# Altium PCB yard-ice.PcbDoc (part 2 of 3) (continued)
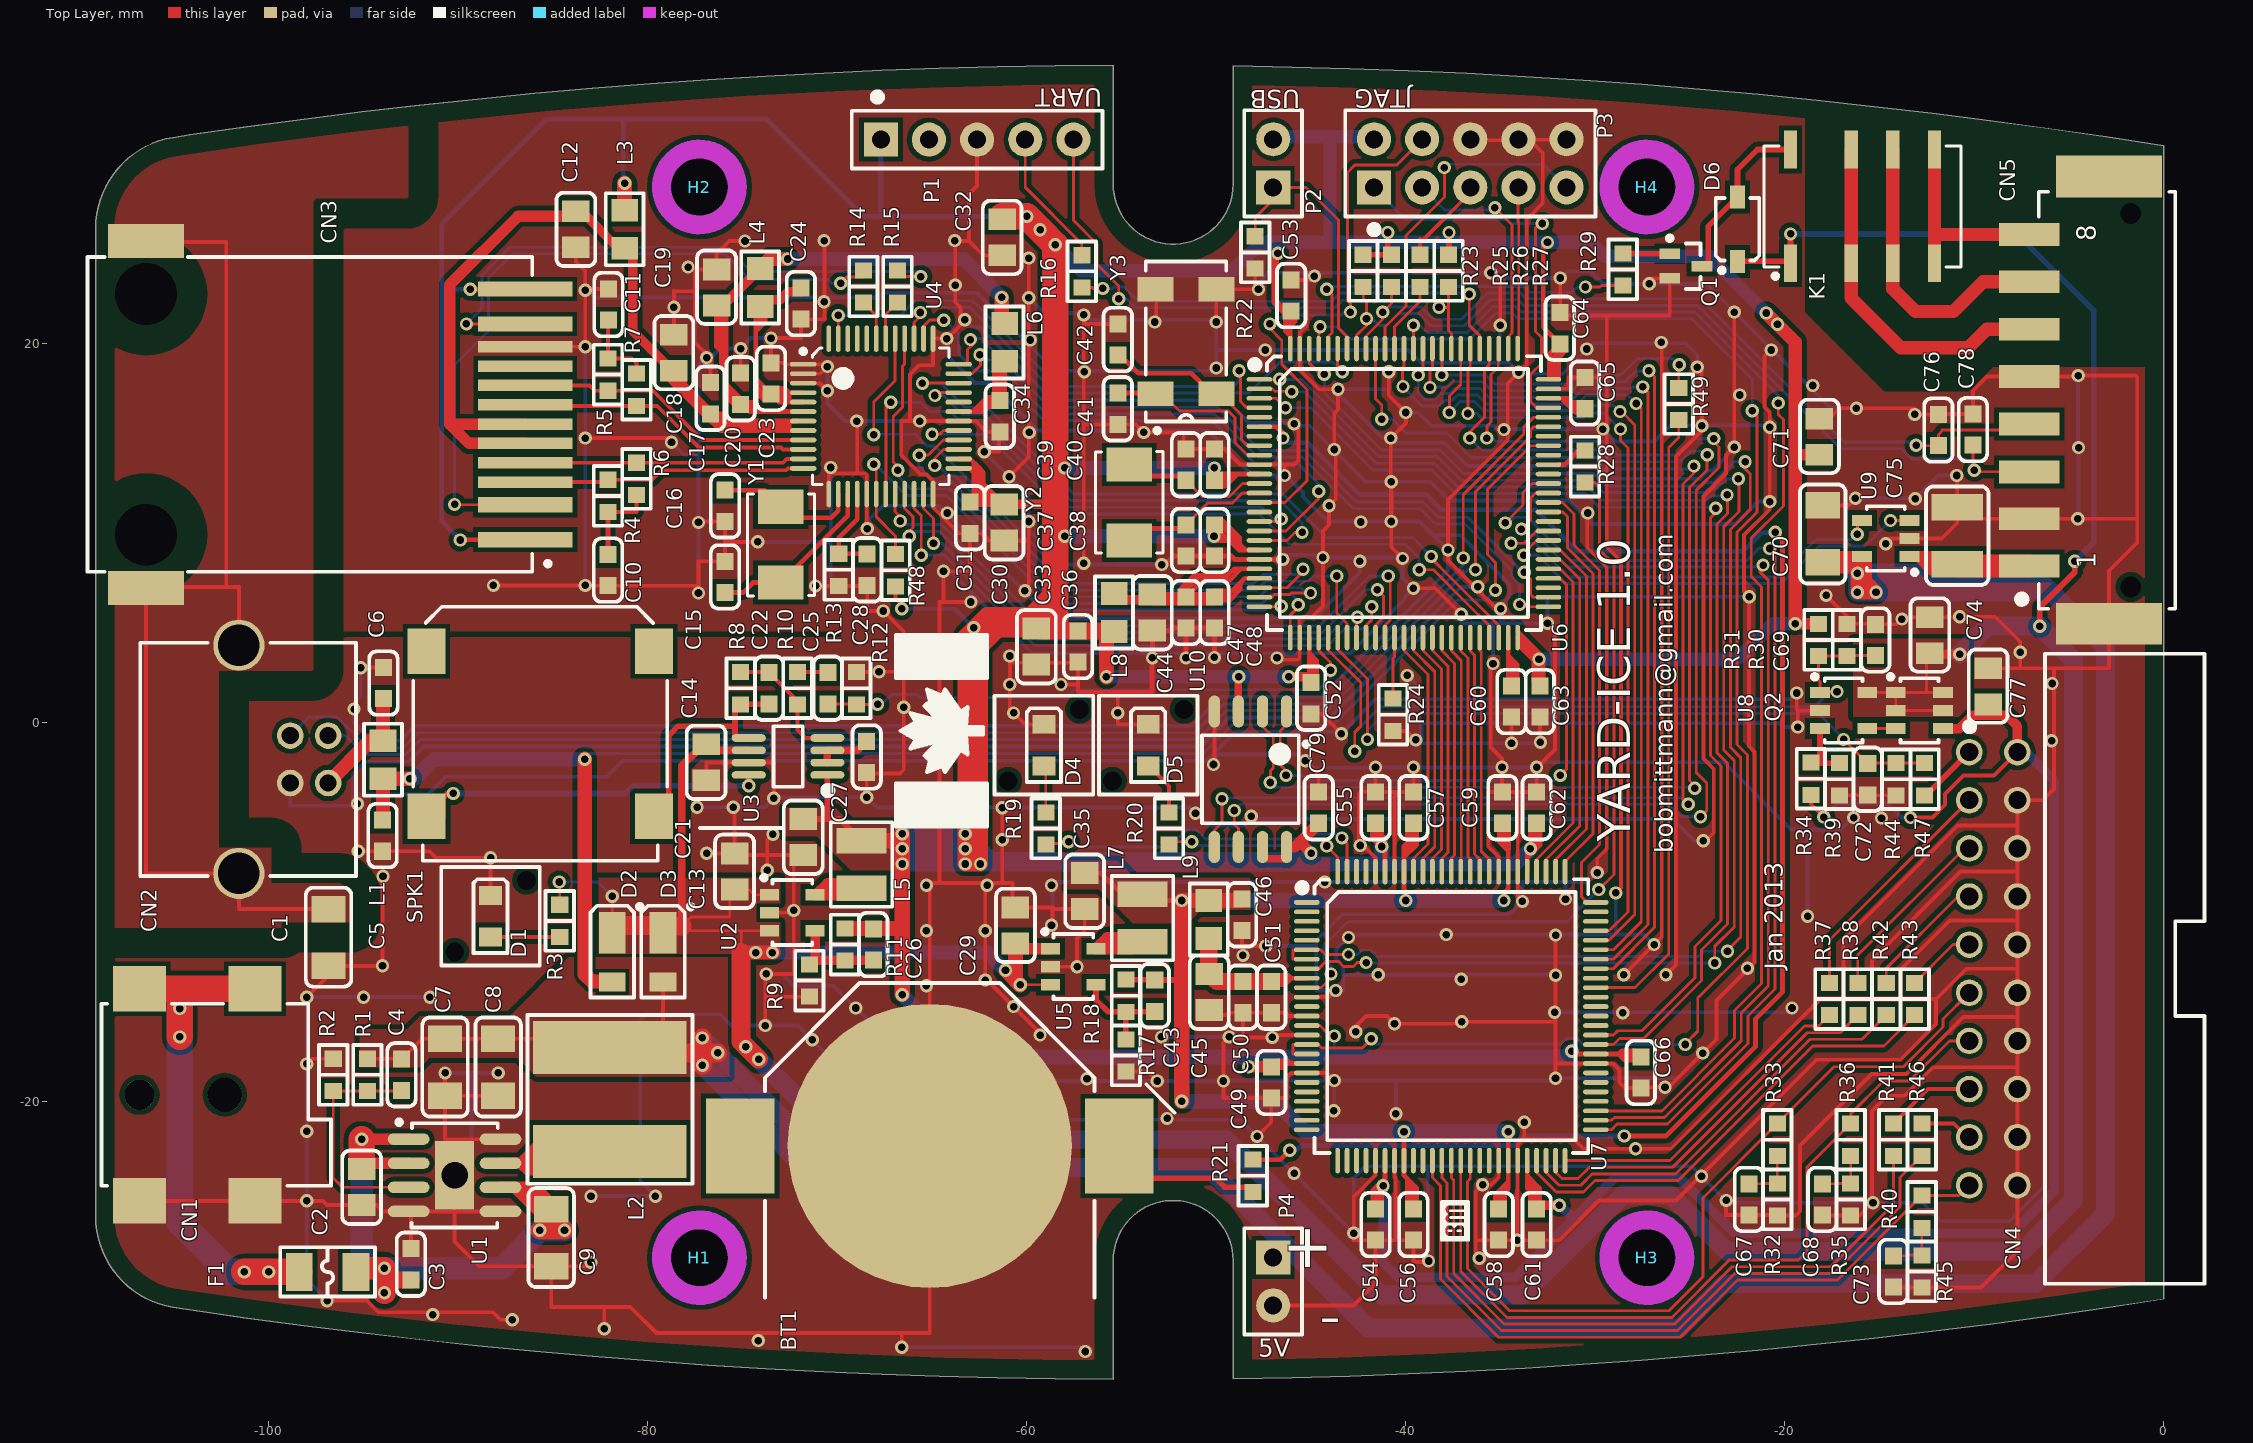
[diagram p0: Top Layer view]
## Nets (pads, with @x,y where several pads share a name; then routed paths per layer and width w, separated by ;. In a path a pad name is that pad's centre, name@x,y a point inside that pad or via, vN(x,y) a via of type N, cw(c..) or ccw(c..) an arc to the next point about the centre after c; other vN are vias at no path point) (continued)
  Top Layer w0.25: C44.2@-53.6,4.85 -52.475,4.85 -52.35,4.975 C47.2@-51.6,4.975 ; -53.4,1.6 v1@-53.4,3.4 ; v1(-53.375,3.4) C44.2@-53.375,4.85 ; v1(-52.875,8.325) -52.725,8.325 -52.275,8.775 C37.1@-51.6,8.775 C38.2@-50.1,8.775 -49.2,8.775 -49.025,8.6 U6.20@-47.725,8.6 v1(-46.5,8.6) ; v1(-51.6,3.4) C47.2@-51.6,4.975 ; v1(-50.1,3.425) C48.2@-50.1,4.975 C47.2@-51.6,4.975 ; v1(-40.775,10.6) v1(-40.775,12.7)
  Bottom Layer w0.2: CN2.4@-98.87,-3.2 -98.87,-4.395 -98.875,-4.4 -95.575,-4.4 -95.575,-3.8 ; v1(-96.925,-30.525) v1@-96.875,-30.525 ; v1@-96.9,-30.5 -98,-29.4 v1(-98,-25.25) v1(-98,-21.575) v1(-98,-18.025) v1(-98,-14.5) v1(-95,-14.5) v1(-91.5,-14.5) ; v1(-95.5,0.7) -95.5,0 -94.525,-0.975 -93.08,-0.975 -92.28,-0.175 -51.291,-0.175 -49.766,1.35 -44.456,1.35 -37.775,8.031 v1(-37.775,9.1) -39.275,10.6 v1(-40.775,10.6) -44.125,10.6 -45.427,11.902 -45.427,12.127 -46.325,13.025 v1(-46.4,13.025) -48.1,13.025 -50.475,15.4 -59.425,15.4 -61.926,17.901 -62.742,17.901 -64.15,19.309 -64.15,20.25 -64.151,20.251 v1(-64.228,20.251) ; -95.45,1.075 -95.15,1.375 v1(-95.15,2.875) ; v1(-95.325,-4.3) -95.575,-4.05 -95.575,-3.8 ; v1(-90.7,-18.5) -89.3,-18.5 ; v2(-90.2,-23.9) -89.3,-23 -89.3,-18.5 ; v1(-87.9,-18.5) -89.3,-18.5 ; v1(-83.3,7.225) v1(-83.3,19.825) ; v1(-83.3,22.8) -83.25,22.85 -82.825,22.425 -67.875,22.425 -67.625,22.675 -62.65,22.675 -58.528,18.553 v1@-50,18.553 ; v1(-83,-25) v1(-79.6,-25) -80.4,-24.2 -80.4,-15.7 -80.1,-15.4 -76.2,-15.4 -75.6,-16 v1(-73.8,-16) -72.075,-16 v1(-71.325,-16.75) -71.325,-16.775 -67.125,-20.975 -48.725,-20.975 -47.75,-21.95 v1(-42.75,-26.95) ; v1(-78.75,14.775) -78.1,14.125 -77.325,14.125 ; v1(-78.625,21.9) v1@-78.625,22.05 ; v1(-77.4,-4.475) v1(-75.5,-4.475) -73.825,-4.475 v1(-73.35,-4) -73.3,-3.95 v1(-68.45,-3.95) -67.9,-4.5 v1(-61.3,-4.5) -51.4,-4.5 v1(-51.1,-4.8) -50.45,-5.45 -48.5,-5.45 v1@-48.15,-5.1 ; v1(-77.325,6.825) v1(-77.325,10.55) -77.325,14.125 ; v1(-74.2,9.525) -70.35,9.525 ; v1(-73.75,-13.275) -72.925,-13.275 -72.3,-13.9 -70.2,-13.9 v1(-69.025,-15.075) -65.175,-18.925 v1(-53.125,-18.925) v1(-49.625,-18.925) -49.6,-18.9 v1(-43.775,-18.9) ; v1(-73.5,20.275) -74.55,20.275 v1(-75.1,19.725) -76.2,19.725 -76.7,19.225 -76.725,19.25 v1(-76.9,19.25) -77.325,18.825 -77.325,14.125 ; v1@-71.203,7.2 -71.232,7.2 -70.375,7.2 -70.35,7.225 v1(-70.35,13.45) ; v1(-70.525,18.775) v1(-70.525,17.5) -70.525,16.825 -69.6,15.9 v1(-68.975,15.9) v1@-65.6,15.9 ; v1(-68.425,10.225) -68.425,10.6 -67.6,11.425 -64.65,11.425 -58.7,5.475 -44.85,5.475 -42.425,7.9 v1(-42.425,8.5) -42.425,8.65 v1@-42.475,8.7 ; v1(-66.6,-32.975) -57.15,-32.975 v1(-56.925,-33.2) ; v1(-64.4,7.975) -64.04,7.975 -62.95,6.885 ; -63.8,22.675 -63.8,23.05 v1(-63.775,23.075) ; v1(-63.275,21.25) -62.876,20.851 -62.496,20.851 -58.645,17 -49.475,17 -48.275,15.8 -45.976,15.8 -45.826,15.65 -45.075,15.65 -42.125,12.7 v1(-40.775,12.7) -38.7,12.7 -37.7,11.7 -31.4,11.7 -30.175,10.475 -26.13,10.475 -22.6,10.475 -21.425,11.65 v1(-20.8,11.65) ; v1(-62.95,6.35) -62.95,6.885 ; v1(-62.25,14.275) -59.9,11.925 -59.9,10.15 -58.075,8.325 -54.753,8.325 ; v1(-59.9,22.4) -59.1,21.6 -57,21.6 -56.65,21.25 -50,21.25 v1@-50,18.553 ; v1@-58.65,-10.675 -58.65,-9 -58.65,-8.45 -58.675,-8.425 v1(-44.275,-8.425) -33.85,-8.425 ; v1(-53.375,3.4) v1@-53.375,3.65 ; v1@-52.875,-16.6 v1(-49.325,-16.6) ; v1(-50.15,-2.225) -50.15,-1.7 -45.575,-1.7 -44.875,-2.4 -41.625,-2.4 v1(-41.6,-2.375) v1(-39.6,-2.375) v1(-34.925,-2.375) v1(-33.1,-2.375) -32.825,-2.1 -23.225,-2.1 -19.675,-5.65 -17.05,-5.65 v1@-16.45,-5.05 ; v1@-50.002,18.551 v1@-50,18.553 ; -50,19.65 v1(-47.425,19.65) -39.875,19.65 -39.2,18.975 -35.046,18.975 ; v1(-48.152,-4.95) -48.152,-5.1 v1@-48.15,-5.1 ; v1@-47.95,22.85 -47.95,23.025 -47.25,23.725 v1@-44.8,23.725 ; v1(-47.4,-11.8) -44.75,-11.8 -44.725,-11.775 ; v1(-46.5,8.6) -46.25,8.85 -44.527,8.85 v1(-44.377,8.7) v1@-42.475,8.7 ; v1(-44.825,23.55) -44.8,23.575 v1@-44.8,23.725 ; v1(-43.8,-20.5) -43.775,-20.475 v1(-43.775,-18.9) ; v1@-42.75,-26.975 v1(-42.75,-26.95) ; v1(-40.9,18.5) -40.9,17.575 v1(-43.575,17.575) -43.575,17.35 -41.225,15 v1(-40.8,15) -40.55,14.75 -37.975,14.75 -36.75,13.525 -29.775,13.525 -29.1,12.85 -24.506,12.85 -24.08,13.276 -23.849,13.276 -22.637,14.487 v1(-22.675,14.525) ; -40.575,-18.9 -40.525,-18.95 v1(-40.525,-20.65) ; v1(-40,16.35) -39.35,16.35 -38.65,15.65 -35.325,15.65 v1@-35.151,15.476 ; v1(-39.925,2.475) -39.525,2.075 -39.525,1.225 ; v1@-38.85,-28.475 -38.85,-23.4 ; -38.5,9.875 -37.125,9.875 -34.525,7.275 -34.525,6.625 -35,6.15 v1(-35,6) -35,5.225 ; v1(-37.077,5.7) -37.077,5.225 -35.4,5.225 ; v1(-37.075,-13.55) v1@-37.075,-13.3 ; v1(-36.2,7.15) -37.1,7.15 -44,0.25 -49.311,0.25 -50.836,-1.275 -91.825,-1.275 -92.625,-2.075 -94.925,-2.075 -95.575,-2.725 -95.575,-3.8 ; v1(-35.4,3.1) -35.4,5.225 ; -35.176,15.476 v1@-35.151,15.476 ; v1(-35.021,20.95) -35.046,20.975 -35.046,18.975 ; v1@-34.6,-1.1 -39.175,-1.1 -39.175,-0.05 -20.325,-0.05 -20.125,-0.25 v1(-19.325,-0.25) ; v1(-34.425,-1.1) -32.95,-1.1 v1(-32.9,-1.05) ; v1(-34.125,-27.325) -34.125,-23.425 ; v1(-32.15,-15.3) -19.85,-15.3 v1(-19.625,-15.075) ; v1@-32.1,-13.3 v1@-37.075,-13.3 ; v1(-31.575,-9.325) -31.575,-8.425 ; v1(-29.9,-7.925) -30.4,-8.425 -31.575,-8.425 ; v1(-28.926,-9) -28.926,-11.2 ; v1(-26.9,-11.725) -27.425,-11.2 -28.925,-11.2 ; v1(-24.625,18.75) -24.625,19.4 -25.225,20 -30.125,20 -31.725,18.4 -33.975,18.4 v1(-34.05,18.475) -34.55,18.975 -35.046,18.975 ; v1(-24.326,-17.451) -25.652,-18.777 v1(-32.102,-18.777) -32.225,-18.9 v1(-43.775,-18.9) ; v1(-24.301,-6.25) -24.764,-6.25 -25.914,-5.1 v1@-48.15,-5.1 ; v1@-21.9,6.625 -32.525,6.625 v1(-32.525,5.225) -35,5.225 ; v1(-20.8,15.575) -20.9,15.675 -26.025,15.675 -26.875,14.825 -28.951,14.825 v1(-29.601,15.476) v1@-35.151,15.476 ; -20.275,1.2 -20.3,1.225 ; v1(-19.375,1.55) -19.7,1.225 -20.3,1.225 ; v1(-18.8,-10.225) -18.8,-5.6 ; v1(-16.275,11.825) -13.15,11.825 v1(-13.125,11.8) -11.9,13.025 v1(-10.925,13.025) ; v1(-16.225,16.575) -16.25,16.6 -17.6,16.6 -21.5,20.5 -24.125,23.125 -29.575,23.125 -30.25,23.8 -31.5,23.8 v1(-31.85,23.45) -35.1,23.45 -35.375,23.725 v1(-35.525,23.725) v1@-44.8,23.725 ; CN4.20@-7.73,-24.43 -7.73,-25.88 -8.175,-26.325 ; CN4.4@-7.73,-4.11 -7.72,-4.1 -6.325,-4.1 -6.325,-24.475 -8.175,-26.325 ; v1(-4.55,10.75) -4.5,10.8 v1(-4.5,14.5) -4.525,14.525 v1(-4.525,18.3) ; -95.575,-3.8 -91.6,-3.8 -90.675,-2.875 -82.175,-2.875 -81.325,-2.025 -50.525,-2.025 -49,-0.5 -43.325,-0.5 -41.6,1.225 -39.525,1.225 ; -62.95,6.885 -59.715,3.65 v1@-53.375,3.65 ; v1@-53.375,3.65 -42.925,3.65 -40.05,6.525 -40.05,6.625 v1(-39.6,7.075) -40.175,7.65 v1(-40.175,8.65) -40.225,8.7 v1@-42.475,8.7 ; -44.725,-11.775 -44.725,-14.15 v1(-43.7,-14.15) -43.3,-14.15 -43.3,-13.325 ; -44.725,-11.775 -44.725,-11.5 -43.35,-10.125 -34.525,-10.125 v1(-33.85,-9.45) -33.85,-8.425 ; -43.3,-13.325 -37.05,-13.325 v1@-37.075,-13.3 ; -43.3,-13.325 -43.3,-12.897 -43.677,-12.52 -43.677,-11.981 -43.046,-11.35 v1(-43.025,-11.35) -42.875,-11.2 v1(-37.875,-11.2) -28.926,-11.2 ; v1(-42.75,-26.95) -42.75,-24.05 -42.125,-23.425 -24.925,-23.425 -23,-25.35 v1(-15.35,-25.35) -12.725,-25.35 -11.75,-26.325 -8.175,-26.325 ; -39.525,1.225 -20.3,1.225 ; -35.4,5.225 -35,5.225 ; -33.85,-8.425 -31.575,-8.425 ; -28.926,-11.2 -28.926,-11.201 -28.925,-11.2 ; -28.926,-11.2 -28.925,-11.2
  Bottom Layer w0.25: -55.253,8.325 v1(-52.875,8.325)
  other v1: -91.35,-31.25 -38.8,-28.425 -23.1,-25.225 -24.4,-23.95 -45.9,-23.8 -52.6,-20.9 -56.825,-18.8 -52.9,-16.6 -28.55,-15.325 -65.3,-13.9 -32.1,-13.35 -41.45,-13.325 -21.975,-12.975 -65.3,-11 -58.7,-10.7 -65.3,-8.6 -58.7,-8.6 -42.4,-6.5 -16.375,-5.025 -5.925,-0.975 -5.9,2.05 -60.9,3.5 -21.875,6.625 -71.15,7.2 -42.375,10.575 -30.4,11.05 -59.875,15.3 -34.825,15.45 -45.9,15.75 -65.65,15.9 -22.375,17.275 -18.525,17.775 -56.975,18.5 -50,18.7 -30.45,19.7 -59.825,20.175 -53.25,21.125 -50,21.125 -57,21.5 -70.7,22.2 -47.775,22.85 -27.15,23.15 -77.875,24.025 -74.875,25.4 -70.7,25.425 -63.8,25.425
GND_EARTH: C1.1 CN2.5 CN2.6 CN3.13 | length 57
  Top Layer w0.2: CN3.13@-106.475,25.35 -102.25,25.35 -102.25,7.15 ; CN2.6@-101.58,4.07 -101.58,7.15 -106.475,7.15 -106.475,-7.97 CN2.5@-101.58,-7.97 -101.58,-9.85 C1.1@-96.85,-9.85
I2C1_SCL: C76.1 CN5.4 R25.1 U6.92 | length 42.9
  Top Layer w0.15: U6.92@-42.1,19.725 -42.1,20.387 -41.225,21.262 -41.225,21.628 -40.75,22.103 R25.1@-40.75,22.975 ; v1(-13.075,14.625) -13.05,14.6 C76.1@-11.9,14.6 -11.9,15.175 -11.65,15.425 ; -11.725,15.425 CN5.4@-7.175,15.425
  Bottom Layer w0.15: v1@-41.227,21.627 -40.928,21.925 -39.175,21.925 -38.525,21.275 -37.065,21.275 -35.69,22.65 -33.94,22.65 -33.64,22.35 -24.45,22.35 -16.887,14.787 -13.237,14.787 v1(-13.075,14.625)
  other v1: -41.225,21.65
I2C1_SDA: C78.1 CN5.3 R23.1 U6.93 | length 44.8
  Top Layer w0.15: U6.93@-42.6,19.725 -42.6,20.425 -42.075,20.95 -42.075,22.2 -42.25,22.375 R23.1@-42.25,22.975 ; v1@-10.075,13.225 C78.1@-10.075,14.625 ; v1@-9.85,13.225 -7.115,13.225 CN5.3@-7.1,13.21
  Bottom Layer w0.15: v1(-42.075,21.3) -41.775,21.3 -41.425,20.95 -41.019,20.95 -40.394,21.575 -39.325,21.575 -38.675,20.925 -36.92,20.925 -35.545,22.3 -34.085,22.3 -33.785,22 -24.595,22 -17.032,14.437 -13.838,14.437 -13.3,13.9 -10.525,13.9 -10,13.375 v1(-10,13.301)
JTCK: P3.7 U6.76 | length 8.5
  Top Layer w0.15: U6.76@-34.1,19.725 -34.046,19.779 -34.046,26.391 -34.075,26.42 -34.075,28.215 P3.7@-34.06,28.23
JTDI: P3.3 U6.77 | length 12.3
  Top Layer w0.15: v1(-35.3,27.15) -34.4,26.25 -34.4,21.212 -34.396,21.209 -34.396,20.544 -34.6,20.341 U6.77@-34.6,19.725
  Bottom Layer w0.15: P3.3@-39.14,28.205 -37.965,27.03 -35.42,27.03 v1(-35.3,27.15)
JTDO: R26.2 U6.89 | length 3.8
  Top Layer w0.15: U6.89@-40.6,19.725 -40.6,20.874 -39.25,22.224 -39.25,22.775 R26.2@-39.25,22.975
JTMS: P3.1 U6.72 | length 20.7
  Top Layer w0.15: v1(-32.8,26.325) -32.925,26.325 -33.15,26.1 -33.15,20.625 -32.85,20.325 -32.85,18.945 -33.425,18.37 -33.425,18.266 -33.425,16.925 -33.1,16.6 U6.72@-32.475,16.6
  Bottom Layer w0.15: P3.1@-41.68,28.205 -40,26.525 -34.659,26.525 -34.459,26.325 v1(-32.8,26.325)
JTRST: P3.9 U6.90 | length 18
  Top Layer w0.15: U6.90@-41.1,19.725 -41.1,20.869 -40,21.969 -40,25.683 -37.965,27.718 -37.965,29.265 v1(-37.975,29.275)
  Bottom Layer w0.15: v1(-37.975,29.275) -37.975,29.45 -32.765,29.45 P3.9@-31.52,28.205
LED1: R19.1 U7.99 | length 18.4
  Top Layer w0.15: R19.1@-59,-6.4 -57.9,-6.4 v1(-57.8,-6.3) ; v1(-43.375,-6.1) -43.1,-6.375 U7.99@-43.1,-7.875
  Bottom Layer w0.15: v1(-57.8,-6.3) -57.525,-6.575 -52.459,-6.575 -51.559,-5.675 -51.041,-5.675 -50.566,-6.15 -45.65,-6.15 -45.4,-5.9 -43.575,-5.9 v1(-43.375,-6.1)
LED2: R20.1 U7.100 | length 10.3
  Top Layer w0.15: R20.1@-52.5,-6.45 -52.35,-6.3 v1(-51.3,-6.3) ; v1(-44.175,-6.525) -43.6,-7.1 U7.100@-43.6,-7.875
  Bottom Layer w0.15: v1(-51.3,-6.3) -51.1,-6.5 -45.505,-6.5 -45.28,-6.275 -44.425,-6.275 v1(-44.175,-6.525)
LX1: L5.1 U2.5 | length 3.8
  Top Layer w0.6: U2.5@-71.175,-9.1 U2.5@-71.1,-9.1 ; L5.1@-69.75,-9.1 U2.5@-71.1,-9.1 ; L5.1@-68.975,-8.5 -70.5,-8.5 U2.5@-71.1,-9.1
LX2: L7.1 U5.5 | length 4
  Top Layer w0.6: L7.1@-54.475,-11.95 U5.5@-56.35,-11.95 -55.75,-11.35 L7.1@-54.45,-11.35
MCO1: U6.67
MCO2: R28.2 U6.66 | length 1.7
  Top Layer w0.25: U6.66@-31.975,13.6 -31.625,13.6 -30.875,14.35 R28.2@-30.55,14.35
NetBT1_1: BT1.1 R21.1 | length 7.7
  Top Layer w0.3: BT1.1@-55.125,-24.05 -50.05,-24.05 -49.575,-24.525 -48.075,-24.525 R21.1@-48.075,-25.025
NetC6_1: C6.1 CN2.1 L1.1 | length 6.1
  Top Layer w0.75: CN2.1@-96.87,-3.2 -94.645,-0.975 L1.1@-93.975,-0.975 -93.975,1.225 C6.1@-93.95,1.25
NetC10_1: C10.1 R4.1 R6.1 | length 4.6
  Top Layer w0.2: R4.1@-82.1,11.1 -80.6,11.1 R6.1@-80.6,12
  Top Layer w0.25: C10.1@-82.1,8.862 R4.1@-82.1,11.1
NetC11_1: C11.1 R5.1 R7.1 | length 4.2
  Top Layer w0.2: C11.1@-82.075,21.225 -82.1,21.2 R5.1@-82.1,19.2 -80.85,19.2 -80.6,18.95 R7.1@-80.6,18.4
NetC15_2: C15.2 U4.15 Y1.1 | length 9.3
  Top Layer w0.25: C15.2@-75.925,6.85 -74.975,6.85 -74.45,7.375 Y1.1@-72.975,7.375 -69.45,10.9 U4.15@-69.45,12.05
NetC16_2: C16.2 U4.14 Y1.2 | length 7.6
  Top Layer w0.25: C16.2@-75.925,12.25 -73.85,12.25 Y1.2@-72.975,11.375 -72.4,10.8 -70.325,10.8 -69.95,11.175 U4.14@-69.95,12.05
NetC22_1: C22.1 R8.2 R10.1 U3.4 | length 6.9
  Top Layer w0.2: R8.2@-75.1,2.65 -73.625,2.65 C22.1@-73.6,2.625 -72.1,1.125 R10.1@-72.1,0.95 -72.1,-0.4 -71.675,-0.825 U3.4@-70.525,-0.825
NetC22_2: C22.2 R8.1 SPK1.2 U3.5 | length 12.1
  Top Layer w0.3: SPK1.2@-79.7,-5.35 -78.9,-4.55 -78.9,-0.7 -78.4,-0.2 -75.4,-0.2 ; U3.5@-75.4,-0.8 -75.4,0.65 R8.1@-75.1,0.95 -73.625,0.95 C22.2@-73.6,0.975
NetC25_2: C25.2 R10.2 | length 1.6
  Top Layer w0.2: R10.2@-72.1,2.65 -70.525,2.65 C25.2@-70.5,2.625
NetC27_1: C27.1 U3.2 U3.3 | length 2.9
  Top Layer w0.4: U3.2@-70.525,-2.125 U3.3@-70.525,-1.475 -68.925,-1.475 C27.1@-68.45,-1
NetC28_1: C28.1 R13.2 U4.16 | length 5.1
  Top Layer w0.25: U4.16@-68.95,12.05 -68.95,10.725 -69.925,9.75 R13.2@-69.925,8.9 -68.45,8.9 C28.1@-68.425,8.875
NetC37_2: C37.2 U6.13 Y2.2 | length 7.9
  Top Layer w0.15: C37.2@-51.6,10.425 -50.45,11.575 -49.155,11.575 -48.63,12.1 U6.13@-47.725,12.1
  Top Layer w0.25: Y2.2@-54.6,9.6 -53.975,10.225 -51.8,10.225 C37.2@-51.6,10.425
NetC39_2: C39.2 U6.12 Y2.1 | length 7.7
  Top Layer w0.15: C39.2@-51.6,12.775 -50.75,11.925 -49.3,11.925 -48.625,12.6 U6.12@-47.725,12.6
  Top Layer w0.25: Y2.1@-54.6,13.6 -54,13 -51.925,13 C39.2@-51.725,12.8
NetC67_1: C67.1 R32.1 R33.2 | length 3
  Top Layer w0.15: C67.1@-21.9,-24.35 -21.2,-24.35 -21.175,-24.325 R32.1@-20.4,-24.325 R33.2@-20.4,-22.875
NetC68_1: C68.1 R35.1 R36.2 | length 3
  Top Layer w0.15: C68.1@-18.025,-24.35 -17.3,-24.35 -17.275,-24.325 R35.1@-16.525,-24.325 R36.2@-16.525,-22.875
NetC73_1: C73.1 R40.2 R45.1 | length 3
  Top Layer w0.15: C73.1@-14.275,-28.15 -13.55,-28.15 -13.5,-28.1 -12.8,-28.1 R45.1@-12.775,-28.125 R40.2@-12.775,-26.675
NetC75_1: C75.1 CN5.1 U9.1 | length 9
  Top Layer w0.6: U9.1@-13.425,8.75 -11.3,8.75 C75.1@-10.9,8.35 -11.2,8.05 -12.25,8.05 U9.1@-12.95,8.75
  Top Layer w1.2: C75.1@-10.9,8.35 -10.8,8.25 CN5.1@-7.1,8.25
NetCN3_2: CN3.2 R14.1 | length 37.9
  Top Layer w0.15: v1(-90.2,11.5) -90.18,11.48 CN3.2@-86.475,11.48 ; v1(-69.825,23.175) -69.5,23.5 -68.625,23.5 R14.1@-68.625,23.85
  Bottom Layer w0.15: v1(-90.2,11.5) -90.2,18.85 -88.4,20.65 -88.4,23.45 -87.125,24.725 -75.97,24.725 -74.62,23.375 -70.5,23.375 -70.3,23.175 v1(-69.825,23.175)
NetCN3_3: CN3.3 R4.2 U4.12 | length 14.5
  Top Layer w0.2: CN3.3@-86,12.68 -82.22,12.68 R4.2@-82.1,12.8 -79.784,12.8 -79.284,13.3 -72.709,13.3 -72.609,13.4 U4.12@-71.8,13.4
NetCN3_4: CN3.4 R6.2 U4.11 | length 14.3
  Top Layer w0.2: CN3.4@-86,13.7 R6.2@-80.6,13.7 -72.875,13.7 -72.675,13.9 U4.11@-71.8,13.9
NetCN3_7: CN3.7 R7.2 U4.10 | length 15.2
  Top Layer w0.2: CN3.7@-86,16.76 -85.94,16.7 R7.2@-80.6,16.7 -79.5,16.7 -77.3,14.5 -72.975,14.5 -72.875,14.4 U4.10@-71.8,14.4
NetCN3_8: CN3.8 R5.2 U4.9 | length 15.4
  Top Layer w0.2: CN3.8@-86,17.78 -83.08,17.78 -82.8,17.5 R5.2@-82.1,17.5 -79.734,17.5 -77.134,14.9 U4.9@-71.8,14.9
NetCN3_11: CN3.11 R15.1 | length 32
  Top Layer w0.15: v1(-89.575,21.025) -86.48,21.025 CN3.11@-86.475,21.02 ; R15.1@-66.825,23.85 -66.825,23.525 v1(-65.6,23.525)
  Bottom Layer w0.15: v1(-89.575,21.025) -88.75,21.85 -88.75,23.595 -87.27,25.075 -75.825,25.075 -74.55,23.8 -65.825,23.8 -65.6,23.575 v1(-65.6,23.525)
NetCN4_1: CN4.1 R47.1 | length 3.3
  Top Layer w0.3: R47.1@-12.625,-3.85 -12.55,-3.85 CN4.1@-10.27,-1.57
NetD1_1: D1.1 R3.1 | length 3.7
  Top Layer w0.2: D1.1@-88.3,-11.325 R3.1@-84.65,-11.325
NetD4_1: D4.1 R19.2 | length 2.7
  Top Layer w0.15: D4.1@-59.1,-2.3 -59,-2.4 R19.2@-59,-4.95
NetD5_1: D5.1 R20.2 | length 2.9
  Top Layer w0.2: D5.1@-53.55,-2.3 -52.5,-3.35 R20.2@-52.5,-4.75
NetD6_1: D6.1 K1.8 Q1.3 | length 9.8
  Top Layer w0.3: Q1.3@-24.75,23.95 -24.05,23.95 -24.05,26.175 D6.1@-22.5,27.725 -22.5,29.175 -21.45,30.225 K1.8@-19.7,30.225
NetP1_4: P1.4 R16.2 | length 7.3
  Top Layer w0.15: P1.4@-60.085,30.75 -60.085,28.235 -57.1,25.25 R16.2@-57.1,24.65
NetP3_5: P3.5 R26.1 | length 4.9
  Top Layer w0.2: R26.1@-39.25,24.675 -39.25,25.5 ; -39.25,25.3 -36.6,27.95 P3.5@-36.6,28.23
NetQ1_1: Q1.1 R29.1 | length 2.5
  Top Layer w0.3: R29.1@-28.525,24.75 -28.5,24.725 Q1.1@-26.075,24.725
NetQ2_3: Q2.3 U8.4 | length 1.5
  Top Layer w0.15: U8.4@-15.65,-0.325 Q2.3@-14.15,-0.325
NetR14_2: R14.2 U4.43 | length 2.2
  Top Layer w0.15: R14.2@-68.625,22.15 -67.95,21.475 U4.43@-67.95,20.25
NetR15_2: R15.2 U4.42 | length 2.2
  Top Layer w0.15: U4.42@-67.45,20.25 -67.45,21.525 R15.2@-66.825,22.15
NetR34_2: R34.2 R39.2 U8.3 | length 3.8
  Top Layer w0.2: R34.2@-18.625,-2.125 R34.2@-18.2,-2.125 ; R39.2@-17.15,-2.125 R39.2@-17.125,-2.15
  Top Layer w0.3: R34.2@-18.625,-2.125 -18.6,-2.15 R39.2@-17.125,-2.15 ; R34.2@-18.2,-2.125 -18.15,-2.075 -18.15,-1.875 U8.3@-18.15,-0.325
NetR37_2: R37.2 U7.50 | length 17.1
  Top Layer w0.15: U7.50@-31.6,-23.125 -26.06,-23.125 -18.96,-16.025 -18.225,-16.025 R37.2@-17.65,-15.45
NetR38_2: R38.2 U7.49 | length 20.3
  Top Layer w0.15: U7.49@-32.1,-23.125 -32.1,-23.741 -31.766,-24.075 -30.915,-24.075 -30.315,-23.475 -25.915,-23.475 -18.815,-16.375 -17.075,-16.375 R38.2@-16.15,-15.45
NetR41_2: R41.2 U7.38 | length 35.5
  Top Layer w0.15: U7.38@-37.6,-23.125 -37.6,-24.035 -37.475,-24.16 -37.475,-29.09 -34.816,-31.749 -25.814,-31.749 -22.79,-28.725 -17.575,-28.725 -14.275,-25.425 R41.2@-14.275,-22.875
NetR42_2: R42.2 U7.48 | length 22.6
  Top Layer w0.15: U7.48@-32.6,-23.125 -32.6,-23.741 -31.916,-24.425 -30.77,-24.425 -30.17,-23.825 -25.77,-23.825 -18.67,-16.725 -15.925,-16.725 R42.2@-14.65,-15.45
NetR43_2: R43.2 U7.47 | length 24.9
  Top Layer w0.15: U7.47@-33.1,-23.125 -33.1,-23.741 -32.066,-24.775 -30.625,-24.775 -30.025,-24.175 -25.625,-24.175 -18.525,-17.075 -14.775,-17.075 R43.2@-13.15,-15.45
NetR46_2: R46.2 U7.37 | length 37.2
  Top Layer w0.15: U7.37@-38.1,-23.125 -38.1,-24.03 -37.825,-24.305 -37.825,-29.235 -34.961,-32.099 -25.669,-32.099 -22.645,-29.075 -17.43,-29.075 -13.925,-25.57 -13.925,-24.025 R46.2@-12.775,-22.875
NetR49_1: R49.1 U7.66 | length 33
  Top Layer w0.15: U7.66@-29.975,-14 -27.9,-14 -26.125,-12.225 -26.125,14.5 -25.6,15.025 R49.1@-25.6,15.95
NetSPK1_1: SPK1.1 U3.8 | length 18
  Top Layer w0.3: SPK1.1@-90.825,-5.025 -90.825,-4 -90.575,-3.75 v1(-90.275,-3.75) ; v1(-74.675,-3.35) U3.8@-74.675,-2.775
  Bottom Layer w0.3: v1(-90.275,-3.75) -81.2,-3.75 -80.8,-3.35 v1(-74.675,-3.35)
NetU7_5: U7.5
NRST: P3.4 U6.14 | length 28.7
  Top Layer w0.15: U6.14@-47.725,11.6 -46.375,11.6 -45.225,12.75 -45.225,17.574 -46.55,18.899 -46.55,20.15 -47.175,20.775 v1(-47.175,21.025) ; v1(-42.925,21.65) -42.925,22.1 -43.075,22.25 -43.075,29.024 -42.694,29.405 -40.48,29.405 P3.4@-39.14,30.745
  Bottom Layer w0.15: v1(-47.175,21.025) -46.95,21.025 -46.475,21.5 -43.4,21.5 -43.25,21.65 v1(-42.925,21.65)
OSC32_IN: C42.2 U6.8 Y3.1 | length 10.3
  Top Layer w0.15: C42.2@-55.2,19.5 C42.2@-55.2,19.525 ; Y3.1@-50.25,17.35 Y3.1@-50,17.35 ; Y3.1@-50,17.275 -49.5,16.775 -49.23,16.775 -48.675,16.22 -48.675,14.934 -48.341,14.6 U6.8@-47.725,14.6
  Top Layer w0.25: C42.2@-55.2,19.5 -54.125,18.425 -51.325,18.425 Y3.1@-50.25,17.35
OSC32_OUT: C41.2 U6.9 Y3.4 | length 9.6
  Top Layer w0.15: Y3.4@-53.225,17.375 Y3.4@-53.2,17.35 -52.875,17.35 -51.95,16.425 -49.375,16.425 -49.025,16.075 -49.025,14.775 -48.35,14.1 U6.9@-47.725,14.1
  Top Layer w0.25: C41.2@-55.2,17.375 Y3.4@-53.225,17.375
OTG_FS_DM: CN2.2 U6.70 | length 74.6
  Top Layer w0.15: v1(-36.325,8.05) -36.325,12.17 -33.425,15.07 -33.425,15.425 -33.25,15.6 U6.70@-32.475,15.6
  Bottom Layer w0.15: CN2.2@-96.87,-0.7 -95.95,-0.7 -94.95,-1.7 -92.78,-1.7 -91.98,-0.9 -50.991,-0.9 -49.466,0.625 -44.155,0.625 -36.73,8.05 v1(-36.325,8.05)
OTG_FS_DP: CN2.3 U6.71 | length 77.1
  Top Layer w0.15: v1(-36.975,8.675) -36.975,12.015 -33.775,15.215 -33.775,15.57 -33.245,16.1 U6.71@-32.475,16.1
  Bottom Layer w0.15: CN2.3@-98.87,-0.7 -97.895,0.275 -96.4,0.275 -94.775,-1.35 -92.925,-1.35 -92.125,-0.55 -51.136,-0.55 -49.611,0.975 -44.3,0.975 -36.975,8.3 v1(-36.975,8.675)
OTG_FS_ID: U6.69
OTG_FS_VBUS: C5.1 D2.1 L1.2 U6.68 | length 87.9
  Top Layer w0.15: v1(-35.275,6.975) -35.275,8.425 -35.7,8.85 -35.7,12.3 -33.4,14.6 U6.68@-32.475,14.6
  Top Layer w0.75: C5.1@-94,-5.15 -93.975,-5.125 L1.2@-93.975,-2.975 v1(-92.55,-2.975) ; v1@-83.325,-1.925 -83.325,-13.3 -82.95,-13.675 D2.1@-81.8,-13.675
  Bottom Layer w0.15: v1(-83.325,-1.95) -83.325,-1.65 -50.68,-1.65 -49.155,-0.125 -43.834,-0.125 -37.259,6.45 -35.8,6.45 v1(-35.275,6.975)
  Bottom Layer w0.75: v1(-92.55,-2.975) -92.3,-2.975 -91.275,-1.95 v1(-83.325,-1.95)
PB15: U6.54 U10.1 | length 29.6
  Top Layer w0.15: v1(-46.325,-2.8) -46.325,-2.55 -46.625,-2.25 -46.625,-0.45 -46.295,-0.12 U10.1@-46.295,0.575 ; U6.54@-32.475,7.6 -31.859,7.6 -31.525,7.266 -31.525,-2.475 v1(-31.85,-2.8)
  Bottom Layer w0.15: v1(-46.325,-2.8) -45.4,-2.8 -45.125,-3.075 -32.125,-3.075 v1(-31.85,-2.8)